# Altium PCB My_SOMA_25042022.PcbDoc (part 2 of 4)
Units mil, origin at the board's own origin, x right, y up, seen from the top; angles counter-clockwise.
Board outline 4842.73 x 3622.06 mil, 4 copper layers (Top Layer, Int1 (GND), Int2 (PWR), Bottom Layer), stack 53.912 mil thick; 293 components, 207 nets, 941 pads, 468 vias.
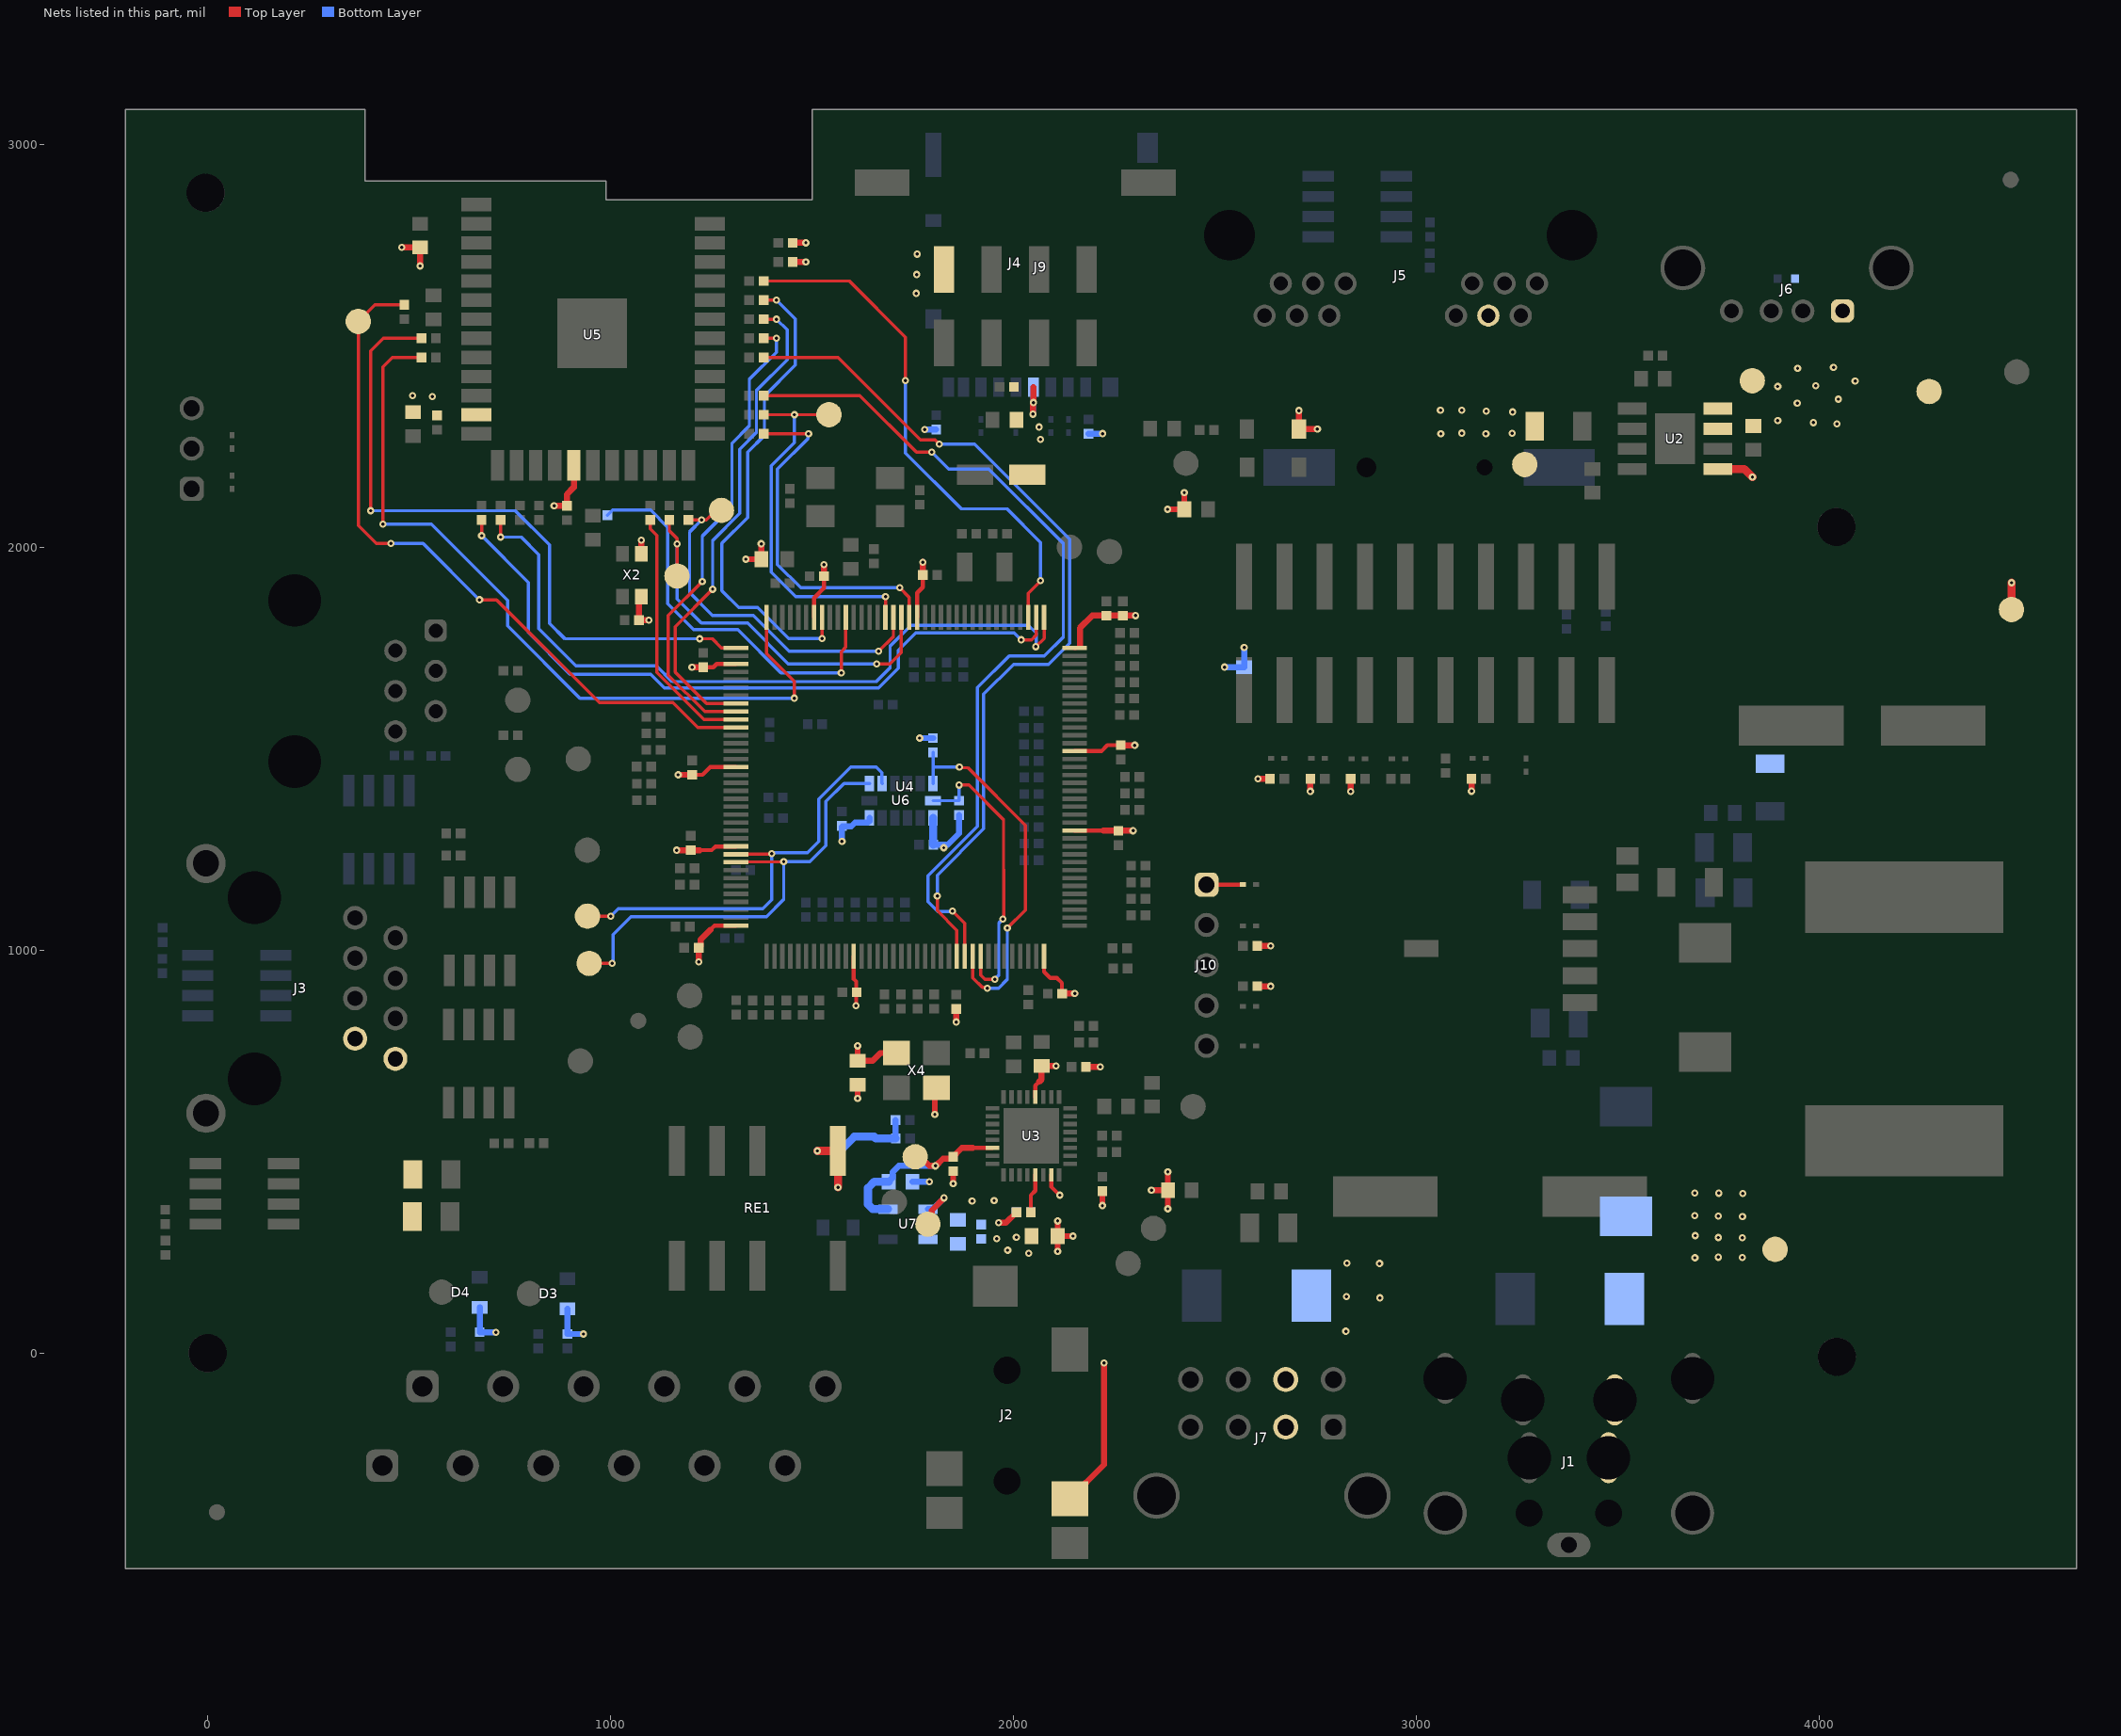
[diagram p4: the nets of this part, all layers, seen from the top]

## Footprints (in the part's own frame and the unit in brackets; to place one, negate y for a bottom-side part, rotate by r counter-clockwise, add the part's x,y. Pads: shape width x height; smd on the part's side, far side on the other; paste and mask are expansions set on the pad) (continued)
SOT95P240X130-3N [mm] "BSS138"
  rect 1x0.8 smd mask+0.051: 1(-1.2,0.95) 2(-1.2,-0.95) 3(1.2,0)
  silkscreen extent -1.91,-1.65 1.91,1.65, body extent -1.2,-1.46 1.2,1.46, height 1.2
SOT95P280X145-5N [mm]
  rect 1.21x0.59 smd mask+0.051: 1(-1.255,0.95) 2(-1.255,0) 3(-1.255,-0.95) 4(1.255,-0.95) 5(1.255,0.95)
  silkscreen extent -2.06,-1.52 2.06,1.52, body extent -1.4,-1.45 1.4,1.45, height 1.45
SULLINS_SBH11-NBPC-D10-SM-BK [mil] "SBH11-NBPC-D10-SM-BK,CONN HEADER SMD 20POS 2.54MM"
  rect 40x164 smd mask+2: 1(-450,-140.75) 2(-450,140.75) 3(-350,-140.75) 4(-350,140.75) 5(-250,-140.75) 6(-250,140.75) 7(-150,-140.75) 8(-150,140.75) 9(-50,-140.75) 10(-50,140.75) 11(50,-140.75) 12(50,140.75) 13(150,-140.75) 14(150,140.75) 15(250,-140.75) 16(250,140.75) 17(350,-140.75) 18(350,140.75) 19(450,-140.75) 20(450,140.75)
  silkscreen extent -648,-240 648,240, body extent -647,-203 648,203, height 419
TE_292303-1 [mil] "292303-1,USB-A (USB TYPE-A) USB 2.0 Receptacle Connector 4 Position Through Hole, Right Angle"
  rrect50% 57x57 hole 37 mask+2: 1(0,0)
  round 57 hole 37 mask+2: 2(98.43,0) 3(177.17,0) 4(275.59,0)
  round 111 hole 91 mask+2: 5(-120.87,-106.69) 6(396.46,-106.69)
  silkscreen extent -200,-621 490,40, body extent -182,-511 457,40, height 300
TE_1986775-6 [mil]
  rrect50% 80x80 hole 50 mask+2: 1(100,196.85) 2(0,0)
  round 80 hole 50 mask+2: 3(300,196.85) 4(200,0) 5(500,196.85) 6(400,0) 7(700,196.85) 8(600,0) 9(900,196.85) 10(800,0) 11(1100,196.85) 12(1000,0)
  silkscreen extent -110,-256 1160,327, body extent -107,-256 1152,327, height 575
TE_5520250-1 [mil] "5520250-1,CONN MOD JACK 6P2C R/A UNSHLD"
  rrect50% 55x55 hole 35 mask+2: 1(0,0)
  round 55 hole 35 mask+2: 2(50,-100) 3(100,0) 4(150,-100) 5(200,0) 6(250,-100)
  round 0 hole 130 unplated mask+2: ""(-74.8,-350) ""(325.2,-350)
  Keep-Out Layer circle w2: c325.2,-350 r81.84
  Keep-Out Layer circle w2: c-74.8,-350 r81.84
  silkscreen extent -185,-880 435,55, body extent -185,-765 435,55, height 630
TE_17344794 [mm]
  round 1.4 hole 0.9: 1(12.07,0) 2(11.05,-2.03) 3(10.03,0) 4(9.01,-2.03) 5(7.99,0) 6(6.97,-2.03) 7(0,0) 8(-1.02,-2.03) 9(-2.04,0) 10(-3.06,-2.03) 11(-4.08,0) 12(-5.1,-2.03)
  round 0 hole 3.2 unplated: H1(-7.31,-5.08) H2(14.28,-5.08)
  Keep-Out Layer circle w0.051: c-7.31,-5.08 r1.906
  Keep-Out Layer circle w0.051: c14.28,-5.08 r1.906
  silkscreen extent -8.58,-15.49 15.56,3.81, body extent -8.58,-12.7 15.56,3.81, height 12.93
TE_55551531 [mm]
  round 1.509 hole 0.97: 1(4.445,7.685) 2(3.175,5.145) 3(1.905,7.685) 4(0.635,5.145) 5(-0.635,7.685) 6(-1.905,5.145) 7(-3.175,7.685) 8(-4.445,5.145)
  round 2.475 hole 1.65: 9(-7.875,-4.255) 10(7.875,-4.255)
  round 0 hole 3.33 unplated: 11(-5.715,-1.205) 12(5.715,-1.205)
  Keep-Out Layer circle w0.051: c-5.715,-1.205 r2.079
  Keep-Out Layer circle w0.051: c5.715,-1.205 r2.079
  silkscreen extent -8.9,-12.12 8.89,9.34, body extent -8.89,-9.33 8.89,9.34, height 13.36
TO-263-6_LM2576S [mil] "LM2576S-ADJ/NOPB,IC REG BUCK ADJ 3A TO263-5"
  rect 85x42 smd mask+2: 1(0,-133.86) 2(0,-66.93) 3(0,0) 4(0,66.93) 5(0,133.86)
  rect 85x42 smd paste-196.85 mask+2: 6(-393.7,0)
  Top Layer region: -482.68,-163.98 -282.68,-163.98 -282.68,163.98 -482.68,163.98 -482.68,212.6 -557.87,212.6 -557.87,-212.6 -482.68,-212.6
  silkscreen extent -570,-230 60,230, body extent -542,-200 23,200, height 191
TP_63C [mil]
  round 63 smd paste-78.74 mask+2: 1(0,0)
  silkscreen extent -40,-40 40,40
XTAL320X150X70-4N [mm] "OM-7604-C7-32.768KHZ-20PPM-TA-QC,OM-7604-C7-32.768KHZ-20PPM-TA-QC"
  rect 1x0.8 smd mask+0.051: 1(-1.35,-0.6) 2(1.35,-0.6) 3(1.35,0.6) 4(-1.35,0.6)
  Keep-Out Layer lines w0.051: 0.606,-0.75 -0.604,-0.75 -0.604,0.75 0.606,0.75 0.606,-0.75
  silkscreen extent -2.03,-1.14 2.03,1.14, body extent -1.6,-0.75 1.6,0.75, height 0.7
XTAL320X150X90-2N [mm] "CRYSTAL 32.7680KHZ 12.5PF SMD,NX3215SA-32.768K-STD-MUA-8"
  rect 1x1.8 smd mask+0.051: 1(-1.25,0) 2(1.25,0)
  Top Layer keep-out lines w0.051: -0.527,-0.75 -0.527,0.75 0.487,0.75 0.487,-0.75 -0.527,-0.75
  silkscreen extent -2.03,-1.14 2.03,1.14, body extent -1.6,-0.75 1.6,0.75, height 1
XTAL500X320X130-4N [mil] "ASFL1-12.288MHZ-L-T,XTAL OSC XO 12.2880MHZ HCMOS TTL"
  rect 67x60 smd mask+2: 1(-50,-43.31) 2(50,-43.31) 3(50,43.31) 4(-50,43.31)
  silkscreen extent -98,-85 98,85, body extent -98,-63 98,63, height 54
XTAL600X360X120-4N [mm] "ABMM2-8.000MHZ-D1-T"
  rect 1.8x1.4 smd mask+0.051: 1(-2.2,-1.2) 2(2.2,-1.2) 3(2.2,1.2) 4(-2.2,1.2)
  Keep-Out Layer lines w0.051: 1.004,1.8 -1.024,1.8 -1.024,-1.8 1.004,-1.8 1.004,1.8
  silkscreen extent -3.3,-2.16 3.3,2.16, body extent -3,-1.8 3,1.8, height 1.2

## Part data
C1: library part 470uF, Distributor part Number=PCE3667CT-ND, Manufacturer="Panasonic Electronic Components", Manufacturer Part Number=EEV-TG1J471M, Operating Temperature="-40°C ~ 125°C", Package="Radial, Can - SMD", Rating=63V, Tolerance=±20%, Distributor=Digikey, Part Status=Active, Reference link=https://www.digikey.com/en/products/detail/panasonic-electronic-components/EEV-TG1J471M/615967, Size / Dimension="0.630\" Dia (16.00mm)", Type=CAP, Unit Price=$2.49000
C2 C6: Distributor part Number=445-2275-2-ND, Manufacturer="TDK Corporation", Manufacturer Part Number=C1608X7R2A223K080AA, Operating Temperature="-55°C ~ 125°C", Package="0603 (1608 Metric)", Rating=100V, Tolerance=±10%, Distributor=Digikey, Part Status=Active, Reference link=https://www.digikey.com/en/products/detail/tdk-corporation/C1608X7R2A223K080AA/789669, Type=CAP, Unit Price=$0.10000
C3 C4 C7: Distributor part Number=445-8902-1-ND, Manufacturer="TDK Corporation", Manufacturer Part Number=C3216X7R2A474K160AE, Operating Temperature="-55°C ~ 125°C", Package="1206 (3216 Metric)", Rating=100V, Tolerance=±10%, Distributor=Digikey, Part Status=Active, Reference link=https://www.digikey.com/en/products/detail/tdk-corporation/C3216X7R2A474K160AE/3283646, Type=CAP, Unit Price=$0.73000
C5: Distributor part Number=565-2110-2-ND, Manufacturer="United Chemi-Con", Manufacturer Part Number=EMVA250ARA102MKE0S, Operating Temperature="-55°C ~ 105°C", Package="512\" L x 0.512\" W (13.00mm x 13.00mm)", Rating="1000UF 20% 25V", Tolerance=20%, Distributor=Digikey, Prt Status=Active, Reference link=https://www.digikey.be/product-detail/en/united-chemi-con/EMVA250ARA102MKE0S/565-2110-2-ND/756757, Type=CAP, Unit Price=1.25$
C8 C13 C14 C18 C19 C60: "100 pF ±5% 50V Ceramic Capacitor C0G, NP0 0402 (1005 Metric)", Distributor part Number=399-3194-1-ND, Manufacturer=KEMET, Manufacturer Part Number=C0402C101J5GACTU, Operating Temperature="-55°C ~ 125°C", Package="0402 (1005 Metric)", Rating=50V, Tolerance=±5%, Distributor=Digikey, Reference link=https://www.digikey.com/en/products/detail/kemet/C0402C101J5GACTU/569895?s=N4IgTCBcDaIMIAYAsCxwIwPQKQKwHEBBOAFQFUQBdAXyA, Type=CAP, Unit Price=$0.10000
C9 C17 C34 C38 C54: library part "CAP CER 0.1UF 10V X7R 0603", "CAP CER 0.1UF 10V X7R 0603", Distributor part Number=732-7939-1-ND, Manufacturer="Würth Elektronik", Manufacturer Part Number=885012206020, Operating Temperature="-55°C ~ 125°C", Package="0603 (1608 Metric)", Rating=10V, Tolerance=±10%, Distributor=Digikey, Reference link=https://www.digikey.com/en/products/detail/w%C3%BCrth-elektronik/885012206020/5453794, Type=CAP, Unit Price=$0.10000
C10 C12: "1 µF ±10% 50V Ceramic Capacitor X5R 0402 (1005 Metric)", Distributor part Number=587-UMK105CBJ105KV-FCT-ND, Manufacturer="Taiyo Yuden", Manufacturer Part Number=UMK105CBJ105KV-F, Operating Temperature="-55°C ~ 85°C", Package="0402 (1005 Metric)", Rating=50V, Tolerance=±10%, Distributor=Digikey, Reference link=https://www.digikey.com/en/products/detail/taiyo-yuden/UMK105CBJ105KV-F/7403870, Type=CAP, Unit Price=$0.32000
C11: "10µF ±20% 50V Ceramic Capacitor X5R 1206 (3216 Metric)", Distributor part Number=1276-6736-2-ND, Manufacturer="Samsung Electro-Mechanics", Manufacturer Part Number=CL31A106MBHNNNE, Operating Temperature="-55°C ~ 85°C", Package="1206 (3216 Metric)", Rating=50V, Tolerance=±20%, Distributor=Digikey, Part Status=Active, Reference link=https://www.digikey.in/product-detail/en/samsung-electro-mechanics/CL31A106MBHNNNE/1276-6736-2-ND/5961220, Type=CAP, Unit Price=5.29660
C15: Distributor part Number=C0603C103K3TACAUTO, Manufacturer=KEMET, Operating Temperature="-55°C ~ 150°C", Package="0603 (1608 Metric)", Rating=25V, Tolerance=±10%, Distributor=Digikey, Manufacturer Part Number=C0603C103K3TACAUTO, Reference link=https://www.digikey.com/en/products/detail/kemet/C0603C103K3TACAUTO/13546784?s=N4IgjCBcpgLFoDGUBmBDANgZwKYBoQB7KAbXAFYBOAJlgHYQBdAgBwBcoQBlNgJwEsAdgHMQAXwJgAbAhDJI6bPiKkQAZhqwZzEO048BI8QSmVZ8xbgLFIZWAAZKsaU1YdI3PkNETwlABxm0HKomFYqtiD2rrrunoY%2BBNT2sEFIoUrWqmD2AASCAGIxeh4AqoL8bADyKACyOGhYAK68OMYgALTU5lB8Tco2ZORMvh1qPZB9A9nRjGK%2B3ZE5hSNAA, Type=CAP, Unit Price=$0.45000
C16 C24 C25 C26 C29 C31 C32 C37 C39 C41 C42 C43 C44 C45 C46 C47 C48 C53 C55 C56 C57 C58 C62: library part "CAP CER 0.1UF 50V X7R 0402", "CAP CER 0.1UF 50V X7R 0402", Distributor part Number=581-04025C104KAT2A, Manufacturer=AVX, Manufacturer Part Number=04025C104KAT2A, Operating Temperature="-55°C ~ 125°C", Package=0402, Rating=50V, Tolerance=±10%, Distributor=Mouser, Reference link=https://www.mouser.in/ProductDetail/AVX/04025C104KAT2A?qs=%2Fha2pyFaduhvAwOoQhW9hDDlPxePcbvdgYQJEdBTMGpxgpoTOSNvPA%3D%3D, Type=CAP, Unit Price=₹7.47
  C57: Assembly Option=D.N.P
C20 C30 C59: Distributor part Number=587-2400-2-ND, Manufacturer="Taiyo Yuden", Manufacturer Part Number=UMK107BJ105KA-T, Operating Temperature="-55°C ~ 125°C", Package=0603, Rating=50V, Tolerance=±10%, Distributor=Digikey, Reference link=https://www.digikey.in/product-detail/en/taiyo-yuden/UMK107BJ105KA-T/587-2400-2-ND/2178919, Type=CAP, Unit Price=2.57370
C21 C22 C23: library part "CAP CER 2.2UF 25V X5R 0402", "2.2 µF ±10% 25V Ceramic Capacitor X5R 0402 (1005 Metric)", Distributor part Number=445-175216-1-ND, Manufacturer="TDK Corporation", Manufacturer Part Number=C1005X5R1E225K050BE, Operating Temperature="-55°C ~ 85°C", Package="0402 (1005 Metric)", Rating=25V, Tolerance=±10%, Distributor=Digikey, Reference link=https://www.digikey.com/en/products/detail/tdk-corporation/C1005X5R1E225K050BE/7907740, Type=CAP, Unit Price=$0.38000
C27 C28: Distributor part Number=490-10991-1-ND, Manufacturer="Murata Electronics", Manufacturer Part Number=ZRB18AR61E106ME01L, Operating Temperature="-55°C ~ 85°C", Package="0603 (1608 Metric)", Rating=25V, Tolerance=±20%, Distributor=Digikey, Reference link=https://www.digikey.com/en/products/detail/murata-electronics/ZRB18AR61E106ME01L/5321083, Type=CAP, Unit Price=$0.50000
C33: library part "CAP ALUM 10UF 20% 35V SMD", "CAP ALUM 10UF 20% 35V SMD", Distributor part Number=PCE3948TR-ND, Manufacturer=Panasonic, Manufacturer Part Number=EEE-1VA100WR, Operating Temperature="40°C ~ 85°C", Package="0.169\" L x 0.169\" W (4.30mm x 4.30mm)", Rating=35V, Tolerance=±20%, Distributor=Digi-Key, Reference link=https://www.digikey.com/product-detail/en/panasonic-electronic-components/EEE-1VA100WR/PCE3948TR-ND/761836, Type=CAP, Unit Price=$0.08326
C35: library part "CAP CER 0.01uF 50V X7R 0402", "CAP CER 0.01uF 50V X7R 0402", Distributor part Number=311-1349-1-ND, Manufacturer=Yageo, Manufacturer Part Number=CC0402KRX7R9BB103, Operating Temperature="-55°C ~ 125°C", Package=0402, Rating=50V, Tolerance=±10%, Distributor=Digikey, Reference link=https://www.digikey.in/product-detail/en/yageo/CC0402KRX7R9BB103/311-1349-1-ND/2103133, Type=CAP, Unit Price=0.00609
C36: "220µF ±20% 4V Ceramic Capacitor X5R 1206 (3216 Metric)", Distributor part Number=490-9774-2-ND, Manufacturer="Murata Electronics", Manufacturer Part Number=GRM31CR60G227ME11L, Operating Temperature="-55°C ~ 85°C", Package="1206 (3216 Metric)", Rating=4V, Tolerance=±20%, Distributor=Digikey, Reference link=https://www.digikey.in/product-detail/en/murata-electronics/GRM31CR60G227ME11L/490-9774-2-ND/4969458, Type=CAP, Unit Price=34.53501
C40: library part "CAP CER 0.1UF 50V X7R 0402_1", "CAP CER 0.1UF 50V X7R 0402", Distributor part Number=478-10043-1-ND, Manufacturer="AVX Corporation", Manufacturer Part Number=04025C104KAT2A, Operating Temperature="-55°C ~ 125°C", Package=0402, Rating=50V, Tolerance=±10%, Distributor=Digikey, Reference link=https://www.digikey.in/product-detail/en/avx-corporation/04025C104KAT2A/478-10043-1-ND/6564266, Type=CAP, Unit Price=7.46000
C49 C50: library part "CAP CER 22PF 50V C0G/NP0 0402", "CAP CER 22PF 50V C0G/NP0 0402", Distributor part Number=478-1074-1-ND, Manufacturer="AVX Corporation", Manufacturer Part Number=04025A220JAT2A, Operating Temperature="-55°C ~ 125°C", Package=0402, Rating=50V, Tolerance=±5%, Assembly Option=DNP, Distributor=Digikey, Reference link=https://www.digikey.com/product-detail/en/avx-corporation/04025A220JAT2A/478-1074-1-ND/564106, Type=CAP, Unit Price=$0.10000
C51 C52: library part "CAP CER 27PF 50V C0G/NPO 0402", "27pF ±5% 50V Ceramic Capacitor C0G, NP0 0402 (1005 Metric)", Distributor part Number=311-1019-1-ND, Manufacturer=Yageo, Manufacturer Part Number=CC0402JRNPO9BN270, Operating Temperature="-55°C ~ 125°C", Package=0402, Rating=50V, Tolerance=±5%, Assembly Option=DNP, Distributor=Digikey, Reference link=https://www.digikey.in/product-detail/en/yageo/CC0402JRNPO9BN270/311-1019-1-ND/302936, Type=CAP, Unit Price=0.00651
C61: Distributor part Number="478-10699-1-ND - Cut Tape (CT)", Manufacturer="AVX Corporation", Manufacturer Part Number=1206SC222KAT2A, Operating Temperature="-55°C ~ 125°C", Package="1206 (3216 Metric)", Rating=1500V, Tolerance=±10%, Distributor=Digikey, Part Status=Active, Reference link=https://www.digikey.com/en/products/detail/avx-corporation/1206SC222KAT2A/7536088, Type=CAP, Unit Price=$0.78000
D1 D2: library part B550C-13-F, Distributor part Number=B550C-FDICT-ND, Manufacturer="Diodes Incorporated", Operating Temperature="-55°C ~ 150°C", Package="DO-214AB, SMC", Rating=50V,5A, Distributor=Digi-key, Manufacturer Part Number=B550C-13-F, Part Status=Active, Reference link=https://www.digikey.com/en/products/detail/diodes-incorporated/B550C-13-F/768772?s=N4IgTCBcDaIEIFYEAYDCBaAjAZnQMQAIQBdAXyA, Type=Diode, Unit Price=$0.58000
D3 D4: "Diode Array 1 Pair Series Connection Standard 70V 200mA Surface Mount TO-236-3, SC-59, SOT-23-3", Distributor part Number=BAV99RFGTR-ND, Manufacturer="Taiwan Semiconductor Corporation", Operating Temperature="-55°C ~ 150°C", Package="TO-236-3, SC-59, SOT-23-3", Rating="70V 200mA", Distributor=Digi-key, Part Status=Active, Reference link=https://www.digikey.in/product-detail/en/taiwan-semiconductor-corporation/BAV99-RFG/BAV99RFGTR-ND/7374190, Type="Diodes - Rectifiers - Arrays", Unit Price=2.46926
D8 D15: "38.9V Clamp 77.2A Ipp Tvs Diode Surface Mount DO-214AB (SMC)", Distributor part Number=SMLJ24CA-QCT-ND, Manufacturer="Bourns Inc.", Manufacturer Part Number=SMLJ24CA-Q, Operating Temperature="-55°C ~ 150°C (TJ)", Package="DO-214AB, SMC", Rating="3000W (3kW)", Tolerance=NA, Distributor=Digikey, Reference link=https://www.digikey.com/en/products/detail/bourns-inc/SMLJ24CA-Q/8275811, Type=TVS, Unit Price=$1.45000
D9 D10 D11 D12 D16 D17 D18 D19 D22 D23: "11.5V Clamp 2A (8/20µs) Ipp Tvs Diode Surface Mount SOD-923", Distributor part Number=ESD9B3.3ST5GOSTR-ND, Manufacturer="ON Semiconductor", Manufacturer Part Number=ESD9B3.3ST5G, Operating Temperature="-55°C to +150°C", Package=SOD-923, Rating="3.3V 11.5V", Tolerance=NA, Assembly Option=DNP, Distributor=Digikey, Reference link=https://www.digikey.com/product-detail/en/on-semiconductor/ESD9B3.3ST5G/ESD9B3.3ST5GOSTR-ND/1973669, Type=TVS, Unit Price=$0.24000
D13 D14: Distributor part Number=BAT43W-FDICT-ND, Manufacturer="Diodes Incorporated", Manufacturer Part Number=BAT43W-7-F, Operating Temperature="-55°C ~ 125°C", Package=SOD-123, Rating="1 V @ 200 mA", Tolerance=NA, Distributor=Digikey, Reference link=https://www.digikey.com/en/products/detail/diodes-incorporated/BAT43W-7-F/749953, Type="Schottky Diode", Unit Price=$0.50000
D20: library part SP1003-01DTG, Distributor part Number=576-SP1003-01DTG, Manufacturer="Littelfuse Inc.", Operating Temperature="-40°C ~ 125°C (TJ)", Package=SOD-723-2, Tolerance=NA, Distributor=Mouser, Manufacturer Part Number=SP1003-01DTG, Reference link=https://www.mouser.in/ProductDetail/Littelfuse/SP1003-01DTG?qs=Xb8IjHhkxj76JbYOs4IgRA%3D%3D, Type=IC
D21 D24 D25 D26 D27 D28: library part Diode,ESD9B3.3ST5G, Distributor part Number=ESD9B3.3ST5GOSTR-ND, Manufacturer="ON Semiconductor", Manufacturer Part Number=ESD9B3.3ST5G, Operating Temperature="-55°C to +150°C", Package=SOD-923, Rating="3.3V 11.5V", Tolerance=NA, Assembly Option=DNP, Cost=0.03416, Distributor=Digikey, Reference link=https://www.digikey.com/product-detail/en/on-semiconductor/ESD9B3.3ST5G/ESD9B3.3ST5GOSTR-ND/1973669, Type=TVS
FB1 FB2: library part "FERRITE BEAD 600 OHM 0603 1LN", "FERRITE BEAD 600 OHM 0603 1LN", Distributor part Number=490-1014-2-ND, Manufacturer=Murata, Manufacturer Part Number=BLM18AG601SN1D, Operating Temperature="-55°C ~ 125°C", Package=0603, Assembly Option=DNP, Distributor=Digikey, Rating="600 Ohms @ 100MHz", Reference link=https://www.digikey.com/product-detail/en/murata-electronics-north-america/BLM18AG601SN1D/490-1014-2-ND/584225, Type=FB, Unit Price=$0.02306
FID1 FID2 FID3 FID4 FID5 MTH1 MTH2 MTH3 MTH4: library part Fiducial, Discription="MACHINE SCREW PAN  M3", Loading=P, Part Category=Screw
J1: "4 (Power) Position Circular Connector Jack, Female Sockets Solder", Distributor part Number=2092-KPJX-4S-S-ND, Manufacturer="Kycon, Inc.", Manufacturer Part Number=KPJX-4S-S, Operating Temperature="-40°C ~ 75°C", Package=Tray, Rating="7.5A, 48VDC, UL94 V-0", ComponentLink1Description=Datasheet, ComponentLink1URL=https://www.digikey.com/en/products/detail/kycon-inc/KPJX-4S-S/9990088, Connector Type="Jack, Female Sockets", Distributor=Digikey, Mounting Type="Through Hole, Right Angle", Part Status=Active, Reference link=https://www.digikey.com/en/products/detail/kycon-inc/KPJX-4S-S/9990088?s=N4IgTCBcDaINIAUBSANAtAFgMpqyAugL5A, Type="Through Hole, Right Angle", Unit Price=$2.41000
J2: "3.50mm (0.141\", 1/8\", Mini Plug) - Headphone Phone Jack Stereo (4 Conductor, TRRS) Connector Solder", Distributor part Number=CP-43516SJCT-ND, Manufacturer="CUI Devices", Manufacturer Part Number=SJ-43516-SMT-TR, Operating Temperature="-20°C ~ 85°C", Package="Cut Tape (CT)", Rating=12VDC, Tolerance=NA, Distributor=Digikey, Reference link=https://www.digikey.com/en/products/detail/cui-devices/SJ-43516-SMT-TR/669721, Type="Phone Jack,Surface Mount, Right Angle", Unit Price=$1.10000
J3: "Jack Modular Connector 8p8c (RJ45, Ethernet) 90° Angle (Right) Shielded Cat3", Distributor part Number=A31438-ND, Manufacturer="TE Connectivity AMP Connectors", Manufacturer Part Number=5555153-1, Operating Temperature="-40°C ~ 85°C", Package=Tray, Rating=Cat3, Tolerance=NA, Distributor=Digikey, Reference link=https://www.digikey.com/en/products/detail/te-connectivity-amp-connectors/5555153-1/769582?s=N4IgTCBcDaIKwLgRjgZgLRJAXQL5A, Type="Modular Connectors - Jacks, Through hole", Unit Price=$2.11000
J4: "Connector Header Surface Mount, Right Angle 8 position 0.118\" (3.00mm)", Distributor part Number=WM1834CT-ND, Manufacturer=Molex, Manufacturer Part Number=0430450811, Package="Cut Tape (CT)", Rating="600V 8A", Tolerance=NA, Distributor=Digikey, Reference link=https://www.digikey.com/en/products/detail/molex/0430450811/4030798, Type="Header, Male Pin", Unit Price=$5.40000
J5: "Jack Modular Connector 6p4c (RJ11, RJ14) 90° Angle (Right) Unshielded Cat3", Distributor part Number=A119279-ND, Manufacturer="TE Connectivity AMP Connectors", Manufacturer Part Number=1734479-4, Package=Tray, Rating=Cat3, Tolerance=NA, Distributor=Digikey, Reference link=https://www.digikey.com/en/products/detail/te-connectivity-amp-connectors/1734479-4/4897898?s=N4IgTCBcDaIIwHYDMAWFCCcBaFIC6AvkA, Type="Jack, Through Hole", Unit Price=$2.69000
J6: Distributor part Number=A31726-ND, Manufacturer="TE Connectivity AMP Connectors", Manufacturer Part Number=292303-1, Rating="30VAC, 1A per Contact", Tolerance=NA, Distributor=Digikey, Reference link=https://www.digikey.com/en/products/detail/te-connectivity-amp-connectors/292303-1/773786, Type="USB-A (USB TYPE A)", Unit Price=$1.68000
J7: "Connector Header Through Hole, Right Angle 8 position 0.118\" (3.00mm)", Distributor part Number=WM2681-ND, Manufacturer=Molex, Manufacturer Part Number=0430450822, Operating Temperature="-40°C ~ 105°C", Package=Tray, Rating=600V,8A, Tolerance=NA, Distributor=Digikey, Reference link=https://www.digikey.com/en/products/detail/molex/0430450822/1635032?s=N4IgTCBcDaIAwBYDMiCscAcYIF0C%2BQA, Type=Header, Unit Price=$3.18000
J8: "Jack Modular Connector 6p2c (RJ11) 90° Angle (Right) Unshielded Cat3", Distributor part Number=A31404-ND, Manufacturer="TE Connectivity AMP Connectors", Manufacturer Part Number=5520250-1, Operating Temperature="-40°C ~ 85°C", Ratings=Cat3, Category="Modular Connectors - Jacks", Connector Type=Jack, Distributor=Digikey, Mounting Type="Through Hole", Number of Positions/Contacts="6p2c (RJ11)", Packaging=Tray, Part Status=Active, Reference link=https://www.digikey.in/product-detail/en/te-connectivity-amp-connectors/5520250-1/A31404-ND/769548, Unit Price=111.90000
J9: Distributor part Number=HR1964CT-ND, Manufacturer="Hirose Electric Co Ltd", Manufacturer Part Number=DM3AT-SF-PEJM5, Rating=NA, Distributor=Digikey, Reference link=https://www.digikey.com/en/products/detail/hirose-electric-co-ltd/DM3AT-SF-PEJM5/2533565, Tolerance=NA, Type="Connector and Ejector", Unit Price=$2.50000
J10: Distributor part Number=609-3462-ND, Manufacturer="Amphenol ICC (FCI)", Manufacturer Part Number=68000-105HLF, Package=Bag, Rating="UL94 V-0", Tolerance=NA, Distributor=Digikey, Reference link=https://www.digikey.com/en/products/detail/amphenol-icc-fci/68000-105HLF/2023304, Type=Header, Unit Price=$0.48000
J11: "Connector Header Through Hole 3 position 0.100\" (2.54mm)", Distributor part Number=SAM8814-ND, Manufacturer="Samtec Inc.", Manufacturer Part Number=HTSW-103-07-G-S, Package=Bag, Rating="UL94 V-0", Tolerance=NA, Distributor=Digikey, Reference link=https://www.digikey.com/en/products/detail/samtec-inc/HTSW-103-07-G-S/2345285, Type="Header, Male Pin, Through hole", Unit Price=$0.55000
J12: Distributor part Number=S9188-ND, Manufacturer=Sullins, Tolerance=NA, Distributor=Digikey, Manufacturer Part Number=SBH11-NBPC-D10-SM-BK, Reference link=https://www.digikey.at/product-detail/en/sullins-connector-solutions/SBH11-NBPC-D10-SM-BK/S9188-ND/1990081, Type=JTAG, Unit Price=$1.68000